# Altium PCB FPGA_POETIC.PcbDoc (part 1 of 3) (continued)
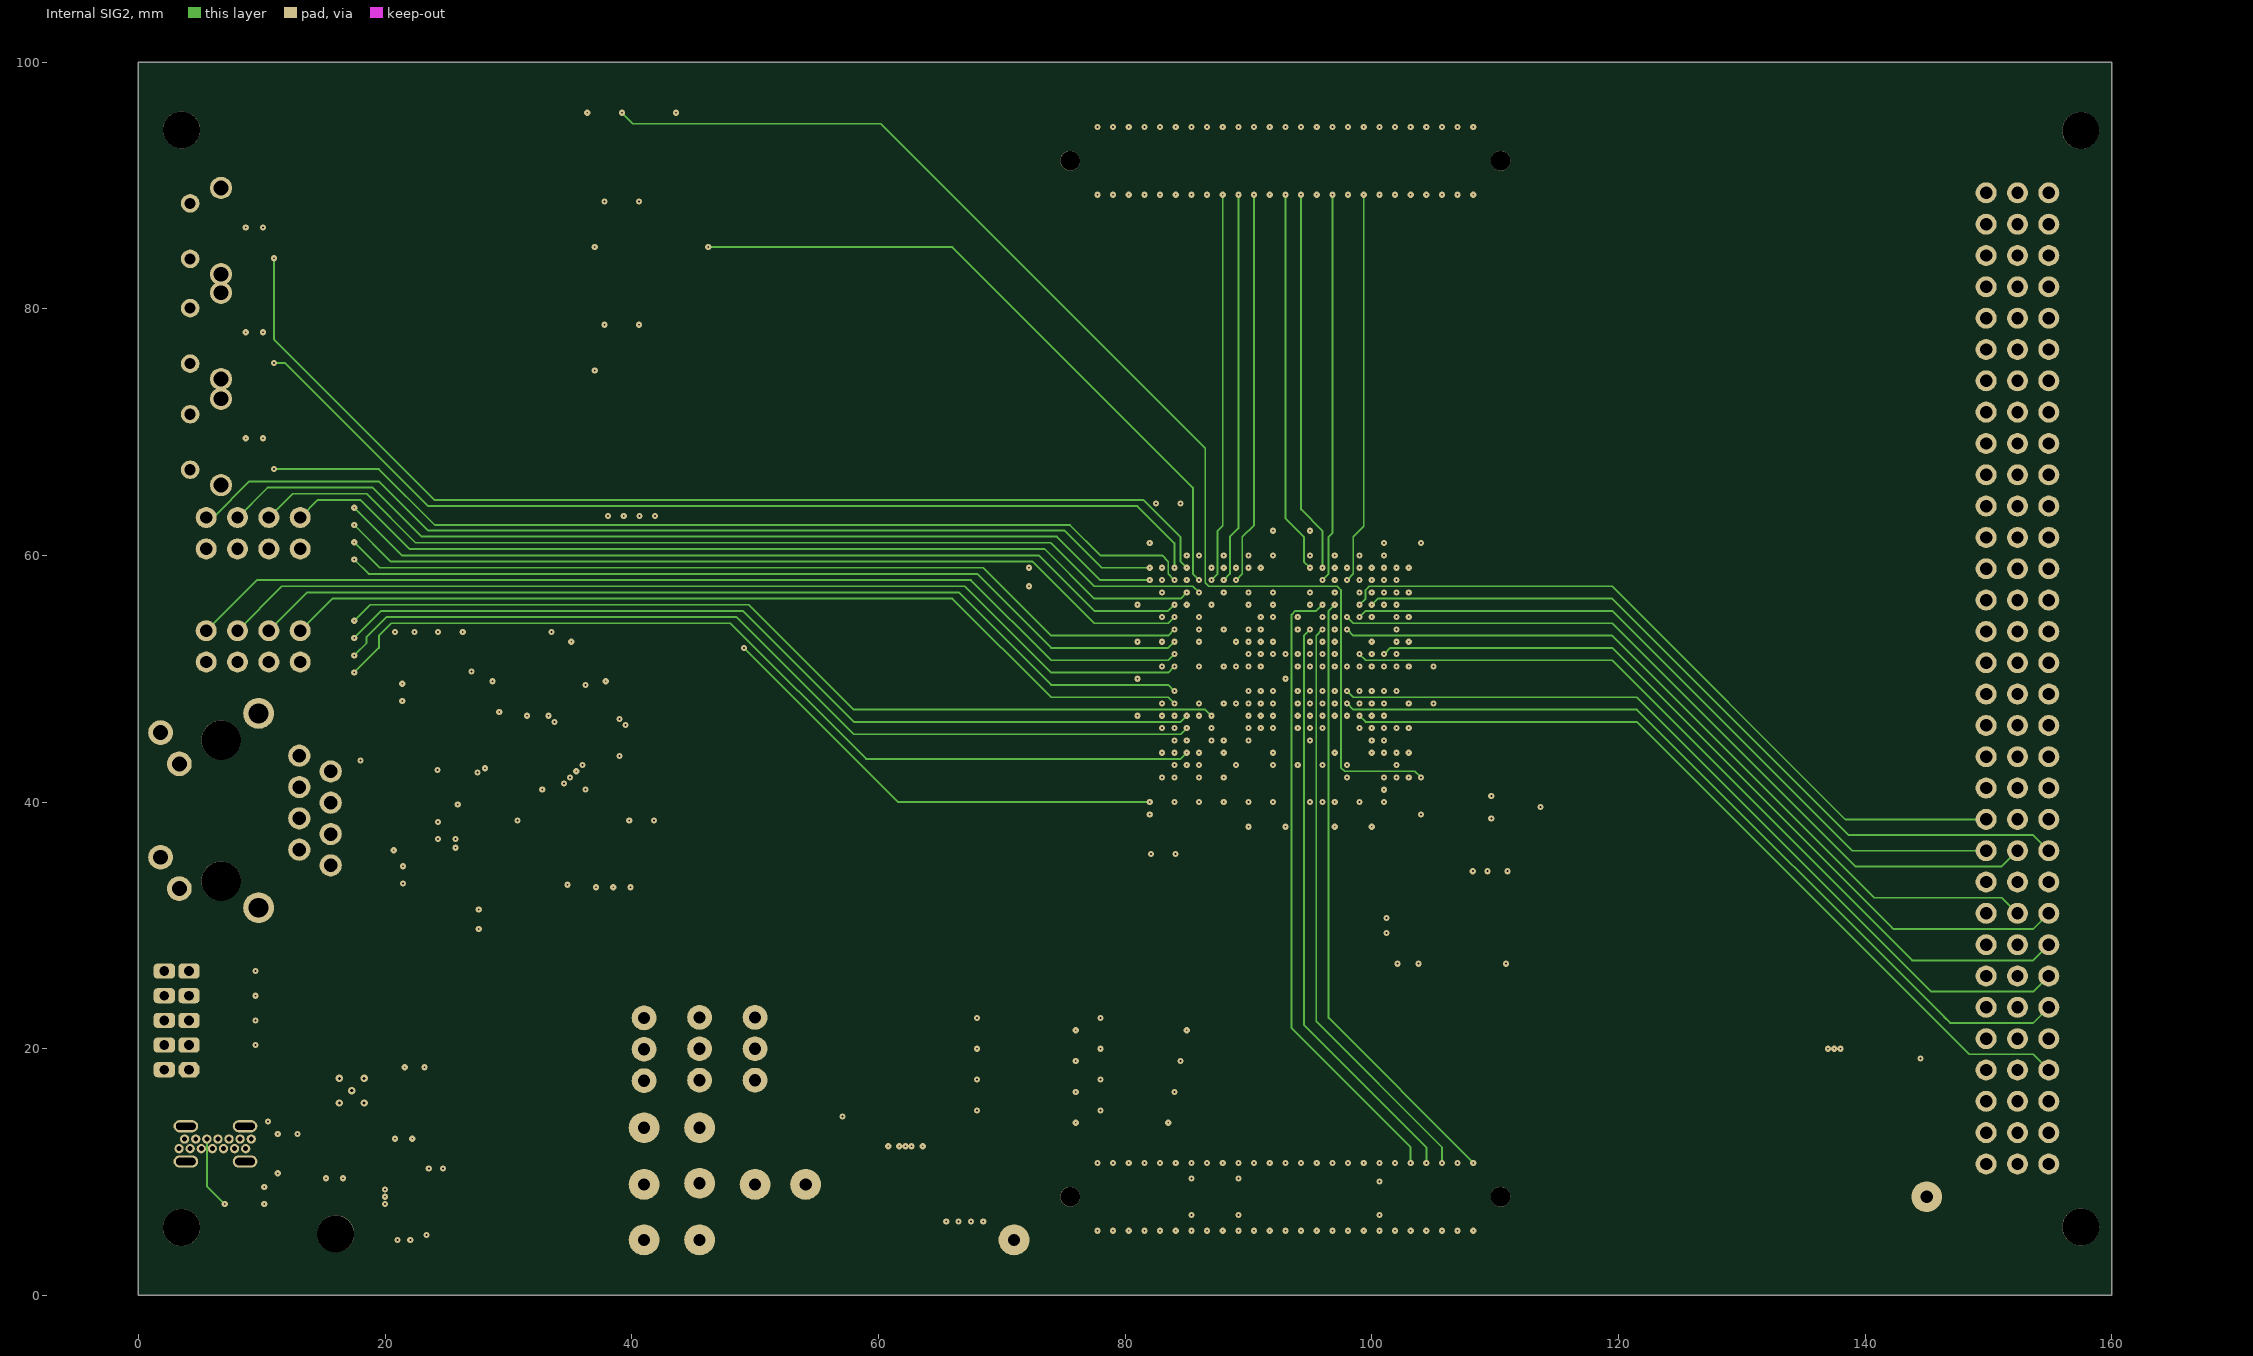
[diagram p4: Internal SIG2]
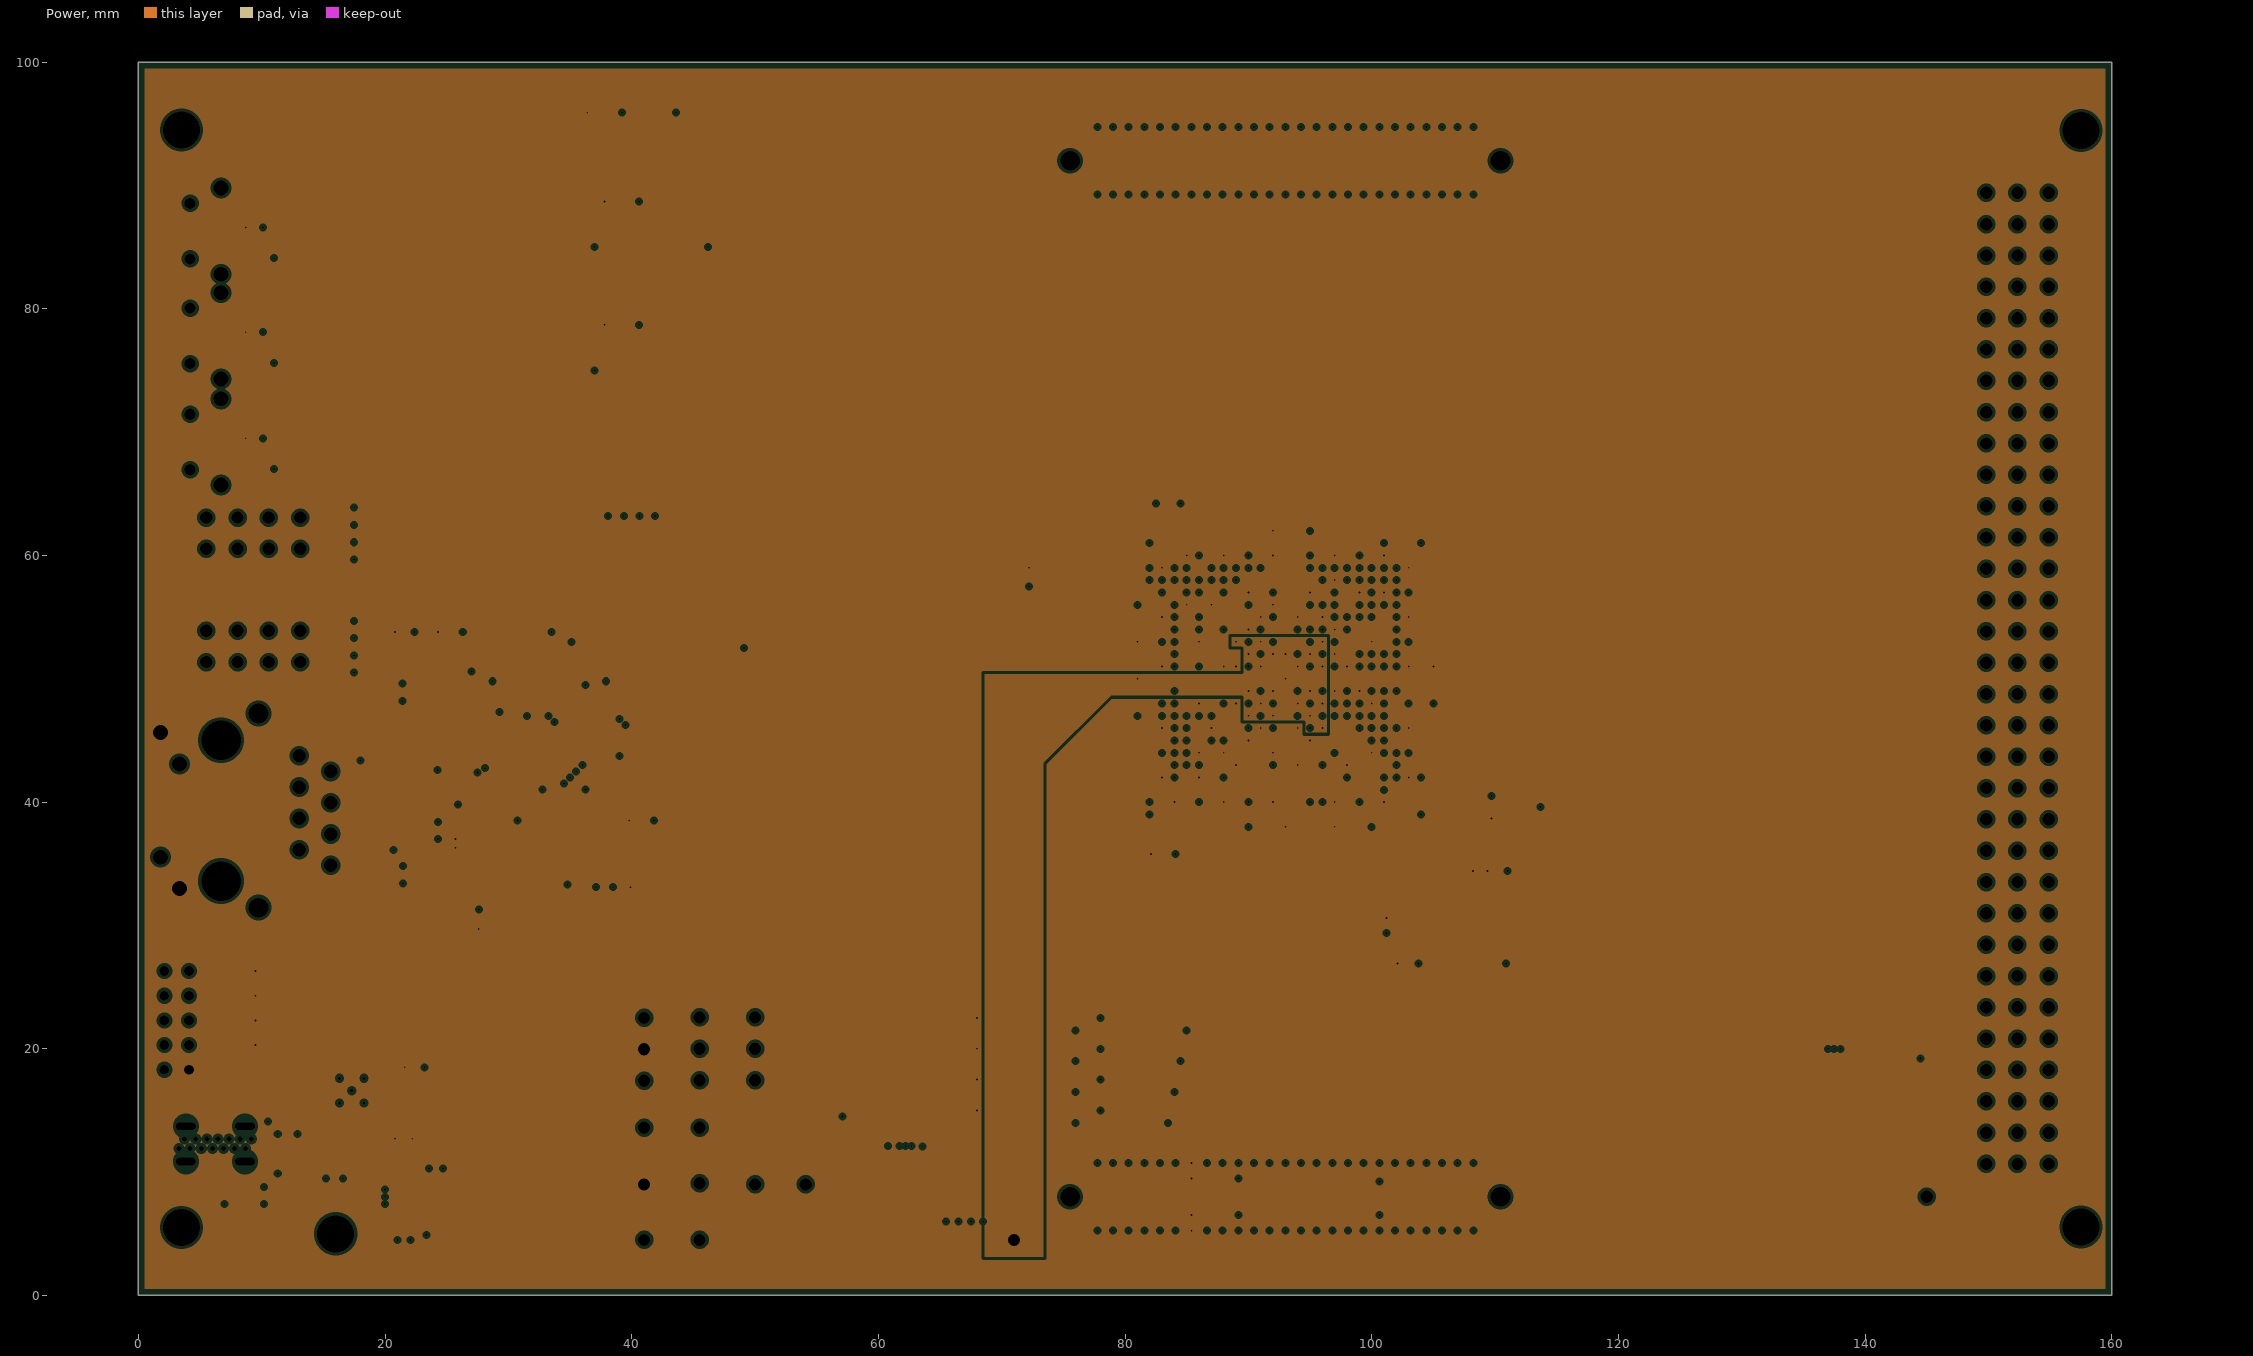
[diagram p5: Power, clearances drawn from the general rule]

## Layer stack, top to bottom
Top Solder: solder mask 0.0102, Solder Resist, Dk 3.5
Top Layer: signal copper 0.0356
Dielectric 2: prepreg 0.0711, PP-006, Dk 4.1
GND: plane copper 0.035, net GND_D
Dielectric 4: prepreg 0.0711, PP-006, Dk 4.1
Internal SIG1: signal copper 0.035
Dielectric 1: dielectric 0.32, FR-4, Dk 4.8
Internal SIG2: signal copper 0.035
Dielectric 5: prepreg 0.0711, PP-006, Dk 4.1
Power: plane copper 0.035, net (Multiple Nets)
Dielectric 3: prepreg 0.0711, PP-006, Dk 4.1
Bottom Layer: signal copper 0.0356
Bottom Solder: solder mask 0.0102, Solder Resist, Dk 3.5

## Board outline
0,0 160,0 160,100 0,100

## Design rules (kind name [scope] priority, off if disabled: settings)
AssemblyTestPointUsage [All] p1 off:
AssemblyTestpoint [All] p1 off: testpointundercomponent=TRUE minsize=1.016 maxsize=2.54 preferedsize=1.524 minholesize=0 maxholesize=1.016 preferedholesize=0.813 testpointgrid=0.025 usegrid=TRUE gridtolerance=0 allowsidetop=TRUE allowsidebottom=TRUE
Clearance [All] p1: gap=0.15 ignorepadtopadclearanceinfootprint=FALSE
ComponentClearance [All] p1 off: gap=0.254 collisioncheckmode=3 verticalgap=0.254 showdistances=FALSE
DiffPairsRouting [All] p1 off: maxlimit=0.254 minlimit=0.254 mostfreqgap=0.254 toplayer_minwidth=0.381 toplayer_maxwidth=0.381 toplayer_prefwidth=0.381 midlayer1_minwidth=0.381 midlayer1_maxwidth=0.381 midlayer1_prefwidth=0.381 midlayer2_minwidth=0.381 midlayer2_maxwidth=0.381 midlayer2_prefwidth=0.381 bottomlayer_minwidth=0.381 bottomlayer_maxwidth=0.381 bottomlayer_prefwidth=0.381 maxuncoupledlength=12.7
FabricationTestPointUsage [All] p1 off: valid=0 allowmultiple=FALSE
FabricationTestpoint [All] p1 off: side=3 testpointundercomponent=TRUE minsize=1.016 maxsize=2.54 preferedsize=1.524 minholesize=0 maxholesize=1.016 preferedholesize=0.813 testpointgrid=0.025 allowsidetop=TRUE allowsidebottom=TRUE usegrid=TRUE gridtolerance=0
FanoutControl Fanout_BGA [IsBGA] p1 off: bgadir=Out bgaviamode=Centered fanoutstyle=Auto fanoutdirection=Alternating viagrid=0.025 // Fanout_BGA (Default Rule)
FanoutControl Fanout_LCC [IsLCC] p2 off: bgadir=Out bgaviamode=Centered fanoutstyle=Auto fanoutdirection=Alternating viagrid=0.025 // Fanout_LCC (Default Rule)
FanoutControl Fanout_SOIC [IsSOIC] p3 off: bgadir=Out bgaviamode=Centered fanoutstyle=Auto fanoutdirection=Alternating viagrid=0.025 // Fanout_SOIC (Default Rule)
FanoutControl Fanout_Small [(CompPinCount < 5)] p4 off: bgadir=Out bgaviamode=Centered fanoutstyle=Auto fanoutdirection=OutThenIn viagrid=0.025 // Fanout_Small (Default Rule)
FanoutControl Fanout_Default [All] p5 off: bgadir=Out bgaviamode=Centered fanoutstyle=Auto fanoutdirection=Alternating viagrid=0.025 // Fanout_Default (Default Rule)
Height [All] p1 off: minheight=0 maxheight=25.4 prefheight=12.7
HoleSize [All] p1 off: absolutevalues=TRUE maxlimit=2.54 minlimit=0.025 maxpercent=80.000 minpercent=20.000
HoleToHoleClearance [All] p1 off: gap=0.254 allowstackedmicrovias=TRUE
LayerPairs [All] p1 off: enforce=TRUE
MinimumSolderMaskSliver [All] p1 off: minsoldermaskwidth=0.254
NetAntennae [All] p1 off: netantennaetolerance=0
PasteMaskExpansion [All] p1 off: expansion=0
PlaneClearance [All] p1: clearance=0.25
PlaneConnect [All] p1: planeconnectstyle=Direct reliefexpansion=0.508 reliefentries=4 reliefconductorwidth=0.254 reliefairgap=0.254
PolygonConnect [All] p1: connectstyle=Direct reliefconductorwidth=0.254 reliefentries=4 polygonreliefangle="90 Angle" airgapwidth=0.254
RoutingCorners [All] p1 off: cornerstyle=45-Degree minsetback=2.54 maxsetback=2.54
RoutingLayers [All] p1 off: top layer_v5=TRUE mid layer 1_v5=TRUE mid layer 2_v5=TRUE bottom layer_v5=TRUE
RoutingPriority [All] p1 off: routingpriority=0
RoutingTopology [All] p1 off: topology=Shortest
RoutingVias [All] p1: holewidth=0.711 width=1.27 viastyle="Through Hole" minholewidth=0.711 minwidth=1.27 maxholewidth=0.711 maxwidth=1.27 useviatemplates=TRUE viatemplateguid#1={13167EAB-DC1D-4225-86D4-8205656FBE5F} viatemplatename#1=v50h15m0mx0
SilkToSilkClearance [All] p1 off: silktosilkclearance=0.254
SilkToSolderMaskClearance [IsPad] p1 off: minsilkscreentomaskgap=0.254 clearancetoexposedcopper=TRUE
SolderMaskExpansion [All] p1 off: expansion=0.102
Width [All] p1: maxlimit=2 minlimit=0.15 preferedwidth=0.25
4 further rules are at their usual default settings.

## Classes and differential pairs
component class Connector_0: C1 C2 C32 C79 C80 C81 J1 J2 J3 J4 J5 J10 J11 LD1 LD2 R1 R2 R3 R4 R5 R6 R7 R8 R9 R58 R59 U1
component class Ethernet_0: C3 C4 C5 C6 C7 C8 C9 C10 C11 C12 C13 C14 C15 C16 C17 C18 C19 C20 D1 D2 IC1 J6 R10 R11 R12 R13 R14 R15 R16 R18 R19 R20 R21 R22 R23 R24 R25 X1
component class FPGA_0: R26 R27 R28 R29 R56 R57 U2
component class FPGA_1: C33 C34 C35 C36 C37 C38 C39 C40 C41 C42 C43 C44 C45 C46 C47 C48 C49 C50 C51 C52 C53 C54 C55 C56 C57 C58 C59 C60 C61 C62 C63 C64 C65 C66 C67 C68 C69 C70 C71 C72 C73 C74 C75 C76 C77 C78 LD3 R30 R31 R32 R33 R34 R35 R36 R37 R38 S1 S2 U3 X2
component class Supply_0: C21 C22 C23 C24 C25 C26 C27 C28 IC2 IC3 IC4 J7 J8 J9 L1 L2 L3 R39 R40 R61 R62 R63 R? TP1 TP2 TP3 TP4 TP5 TP6 TP7 TP8 TP9 TP10
component class UserInterface_0: C29 C30 C31 JP1 JP2 JP3 JP4 LD4 LD5 R41 R42 R43 R44 R45 R46 R47 R48 R49 R50 R51 R52 R53 R54 R55 S3 S4 S5 S6
differential pair USBD: +USBD_P -USBD_N
differential pair RX: +RX_P -RX_N
differential pair TX: +TX_P -TX_N

## Components (designator, comment, footprint, x,y, rotation, side; value= is the part's Value field where it differs from the comment)
C1 "10nF" "CAPACITOR 1608 REFLOW" 12.1,12.2 r180 top
C2 "100nF" "CAPACITOR 1608 REFLOW" 12.1,14.1 r0 top
C3 "100nF" "CAPACITOR 1608 REFLOW" 28.5,30.5 r270 top
C4 "10uF" "CAPACITOR 2012 REFLOW" 22.4,51.8 r270 top
C5 "10nF" "CAPACITOR 1608 REFLOW" 22.7,42.6 r180 top
C6 "10nF" "CAPACITOR 1608 REFLOW" 22.7,41.2 r180 top
C7 "100pF" "CAPACITOR 1608 REFLOW" 38.5,34.7 r90 top
C8 "0.022uF" "CAPACITOR 1608 REFLOW" 19.9,37 r0 top
C9 "4700pF" "CAPACITOR 1608 REFLOW" 19.9,33.4 r180 top
C10 "22uF" "CAPACITOR 2012 REFLOW" 30.3,51.8 r90 top
C11 "100nF" "CAPACITOR 1608 REFLOW" 28.7,51.4 r90 top
C12 "22uF" "CAPACITOR 2012 REFLOW" 40.8,39.6 r180 top
C13 "100nF" "CAPACITOR 1608 REFLOW" 40.4,41.22 r180 top
C14 "22uF" "CAPACITOR 2012 REFLOW" 27.3,38.2 r0 top
C15 "100nF" "CAPACITOR 1608 REFLOW" 27.5,39.8 r0 top
C16 "100nF" "CAPACITOR 1608 REFLOW" 22.7,38.4 r180 top
C17 "100nF" "CAPACITOR 1608 REFLOW" 22.7,37 r180 top
C18 "1uF" "CAPACITOR 2012 REFLOW" 33.5,51.8 r270 top
C19 "100nF" "CAPACITOR 1608 REFLOW" 35.1,51.4 r270 top
C20 "100nF" "CAPACITOR 1608 REFLOW" 37.9,51.4 r90 top
C21 "10uF" "CAPACITOR 2012 REFLOW" 147.2,14.6 r270 top
C22 "22uF / X5R / 6.3V" "CAPACITOR 2012 REFLOW" 146.3,17.3 r180 top
C23 "22uF / X5R / 6.3V" "CAPACITOR 2012 REFLOW" 21.6,6.72 r90 top
C24 "22uF / X5R / 6.3V" "CAPACITOR 2012 REFLOW" 24.9,9.2 r0 top
C25 "100nF" "CAPACITOR 1608 REFLOW" 61.2,13 r0 top
C26 "22uF / X7R / 6.3V" "CAPACITOR 2012 REFLOW" 58.9,12.5 r270 top
C27 "22uF / X5R / 6.3V" "CAPACITOR 2012 REFLOW" 65.7,8.1 r90 top
C28 "22uF / X5R / 6.3V" "CAPACITOR 2012 REFLOW" 67.5,8.1 r90 top
C29 "100n" "CAPACITOR 1608 REFLOW" 10.1,76.4 r270 top
C30 "100n" "CAPACITOR 1608 REFLOW" 10.1,67.8 r270 top
C31 "100n" "CAPACITOR 1608 REFLOW" 10.1,84.9 r270 top
C32 "100nF" "CAPACITOR 1608 REFLOW" 151.1,8.1 r180 top
C33 "100nF" "CAPACITOR 1608 REFLOW" 41.4,77.8 r0 top
C34 "100nF" "CAPACITOR 1608 REFLOW" 41.4,87.8 r0 top
C35 "100uF" "CAPACITOR 3216 REFLOW" 93.5,62 r0 bottom
C36 "4.7uF" "CAPACITOR 1608 REFLOW" 93,55 r180 bottom
C37 "470nF" "CAPACITOR 1005 REFLOW" 90,56.5 r270 bottom
C38 "470nF" "CAPACITOR 1005 REFLOW" 99,57.5 r90 bottom
C39 "470nF" "CAPACITOR 1005 REFLOW" 95,56.5 r270 bottom
C40 "470nF" "CAPACITOR 1005 REFLOW" 91,54.5 r270 bottom
C41 "100uF" "CAPACITOR 3216 REFLOW" 105,49.5 r270 bottom
C42 "4.7uF" "CAPACITOR 1608 REFLOW" 99,50 r90 bottom
C43 "470nF" "CAPACITOR 1005 REFLOW" 100,47.5 r270 bottom
C44 "470nF" "CAPACITOR 1005 REFLOW" 100,52.5 r270 bottom
C45 "470nF" "CAPACITOR 1005 REFLOW" 101,56.5 r270 bottom
C46 "470nF" "CAPACITOR 1005 REFLOW" 100,44.5 r90 bottom
C47 "100uF" "CAPACITOR 3216 REFLOW" 81,48.5 r270 bottom
C48 "100uF" "CAPACITOR 3216 REFLOW" 93,51.9 r90 bottom
C49 "4.7uF" "CAPACITOR 1608 REFLOW" 91,50 r270 bottom
C50 "4.7uF" "CAPACITOR 1608 REFLOW" 95,50 r90 bottom
C51 "4.7uF" "CAPACITOR 1608 REFLOW" 93,48 r180 bottom
C52 "470nF" "CAPACITOR 1005 REFLOW" 96,52.5 r270 bottom
C53 "470nF" "CAPACITOR 1005 REFLOW" 91,52.5 r270 bottom
C54 "470nF" "CAPACITOR 1005 REFLOW" 95,47.5 r90 bottom
C55 "470nF" "CAPACITOR 1005 REFLOW" 95,52.5 r90 bottom
C56 "470nF" "CAPACITOR 1005 REFLOW" 90,47.5 r90 bottom
C57 "470nF" "CAPACITOR 1005 REFLOW" 96,47.5 r270 bottom
C58 "100uF" "CAPACITOR 3216 REFLOW" 98.4,38 r0 bottom
C59 "4.7uF" "CAPACITOR 1608 REFLOW" 93,43 r180 bottom
C60 "470nF" "CAPACITOR 1005 REFLOW" 90,45.5 r90 bottom
C61 "470nF" "CAPACITOR 1005 REFLOW" 86,42.5 r90 bottom
C62 "470nF" "CAPACITOR 1005 REFLOW" 95,45.5 r90 bottom
C63 "470nF" "CAPACITOR 1005 REFLOW" 101,40.5 r90 bottom
C64 "100uF" "CAPACITOR 3216 REFLOW" 91.5,38 r180 bottom
C65 "4.7uF" "CAPACITOR 1608 REFLOW" 93,46 r180 bottom
C66 "4.7uF" "CAPACITOR 1608 REFLOW" 97,50 r90 bottom
C67 "470nF" "CAPACITOR 1005 REFLOW" 90,53.5 r270 bottom
C68 "470nF" "CAPACITOR 1005 REFLOW" 91,46.5 r90 bottom
C69 "470nF" "CAPACITOR 1005 REFLOW" 88,44.5 r90 bottom
C70 "470nF" "CAPACITOR 1005 REFLOW" 97,57.5 r270 bottom
C71 "100uF" "CAPACITOR 3216 REFLOW" 81,54.5 r90 bottom
C72 "4.7uF" "CAPACITOR 1608 REFLOW" 88,50 r270 bottom
C73 "470nF" "CAPACITOR 1005 REFLOW" 83,58.5 r270 bottom
C74 "470nF" "CAPACITOR 1005 REFLOW" 86,47.5 r270 bottom
C75 "470nF" "CAPACITOR 1005 REFLOW" 86,53.5 r90 bottom
C76 "470nF" "CAPACITOR 1005 REFLOW" 83,46.5 r90 bottom
C77 "100nF" "CAPACITOR 1608 REFLOW" 73.1,58.2 r90 top
C78 "100nF" "CAPACITOR 1608 REFLOW" 110.2,33.5 r180 top
C79 "4.7uF" "CAPACITOR 1608 REFLOW" 15.2,11.1 r90 top
C80 "100nF" "CAPACITOR 1608 REFLOW" 16.6,11.1 r90 top
C81 "100nF" "CAPACITOR 1608 REFLOW" 22.4,19.4 r180 top
D1 "1N4148" "DIODE SOD323 REFLOW" 24.3,51.8 r270 top
D2 "1N4148" "DIODE SOD323 REFLOW" 26.3,51.8 r270 top
IC1 "KSZ8041TL" QFP50P900X900X105-48N 33.5,44 r0 top
IC2 "RP402N501F-TR-FE" SOT95P280X130-5N 144.1,14.6 r0 top
IC3 "SC189ZSKTRT" SOT95P280X145-5N 24.6,6.52 r0 top
IC4 "ADP2119ACPZ-1.2-R7" SON50P300X300X85-11N 62.2,10.5 r0 top
J1 "ERNI SMC-B50-SMD-BA" "ERNI SMC-B50-SMD-BA" 93,8 r180 top locked
J2 "ERNI SMC-B50-SMD-BA" "ERNI SMC-B50-SMD-BA" 93,92 r180 top locked
J3 "FlatCable2x5" "FlatCable2x5 2MM Right Angle TH FCI 98614-G61-10ULF" 3.1,22.3 r270 top locked
J4 "09031966921" "DIN41612 MALE 3X32 ABC R90" 167.6,50 r270 top locked
J5 "2169890001" "USB-C-TH MOLEX 2169890001" 9.15,12.29 r270 top locked
J6 "RJ45-PULSE-J0011D21BNL" "RJ45 PULSE J0011D21BNL" -4.1,39.315 r90 top locked
J7 "*" "PinHeader1x3 P2.54" 45.5,20 r270 top
J8 "*" "PinHeader1x3 P2.54" 41,19.96 r270 top
J9 "*" "PinHeader1x3 P2.54" 50,20 r270 top
J10 "ERNI SMC-Q50-SMD-BA" "ERNI SMC-Q50-SMD-BA" 93,8 r180 bottom locked
J11 "ERNI SMC-Q50-SMD-BA" "ERNI SMC-Q50-SMD-BA" 93,92 r180 bottom locked
JP1 "{Value}" "JUMPER3 SMD 2012" 76,22.5 r180 top
JP2 "{Value}" "JUMPER3 SMD 2012" 76,20 r180 top
JP3 "{Value}" "JUMPER3 SMD 2012" 76,17.5 r180 top
JP4 "{Value}" "JUMPER3 SMD 2012" 76,15 r180 top
L1 "2.2uF" "TDK VLCF5020-1" 139.1,14.5 r90 top
L2 "2.2uH" "TDK VLCF5020-1" 29.5,6.52 r90 top
L3 "1.5uH" "TDK VLCF5020-1" 61.1,6 r0 top
LD1 "*" "LED 1608 REFLOW" 19.4,11.1 r270 top
LD2 "*" "LED 1608 REFLOW" 18,11.1 r270 top
LD3 "*" "LED 1608 REFLOW" 40,95 r180 top
LD4 "568-0721-111F" "LED Dialight 568-0721-111" 5.5,61.8 r0 top locked
LD5 "568-0721-111F" "LED Dialight 568-0721-111" 5.5,52.63 r0 top locked
R1 "10k" "RESISTOR 1608 REFLOW" 7.9,26.3 r0 top
R2 "10k" "RESISTOR 1608 REFLOW" 7.9,24.3 r0 top
R3 "10k" "RESISTOR 1608 REFLOW" 7.9,22.3 r0 top
R4 "10k" "RESISTOR 1608 REFLOW" 7.9,20.3 r0 top
R5 "330" "RESISTOR 1608 REFLOW" 20.8,11.1 r90 top
R6 "330" "RESISTOR 1608 REFLOW" 22.2,11.1 r90 top
R7 "Ferrite" "RESISTOR 1608 REFLOW" 12.1,10.8 r0 top
R8 "4k7" "RESISTOR 1608 REFLOW" 146.1,20.6 r180 top
R9 "4k7" "RESISTOR 1608 REFLOW" 146.1,19.2 r180 top
R10 "10k" "RESISTOR 1608 REFLOW" 20.8,52.2 r90 top
R11 "nm" "RESISTOR 1608 REFLOW" 22.7,44 r0 top
R12 "nm" "RESISTOR 1608 REFLOW" 22.7,39.8 r0 top